# KiCad board ice60-rounded.kicad_pcb (continued)
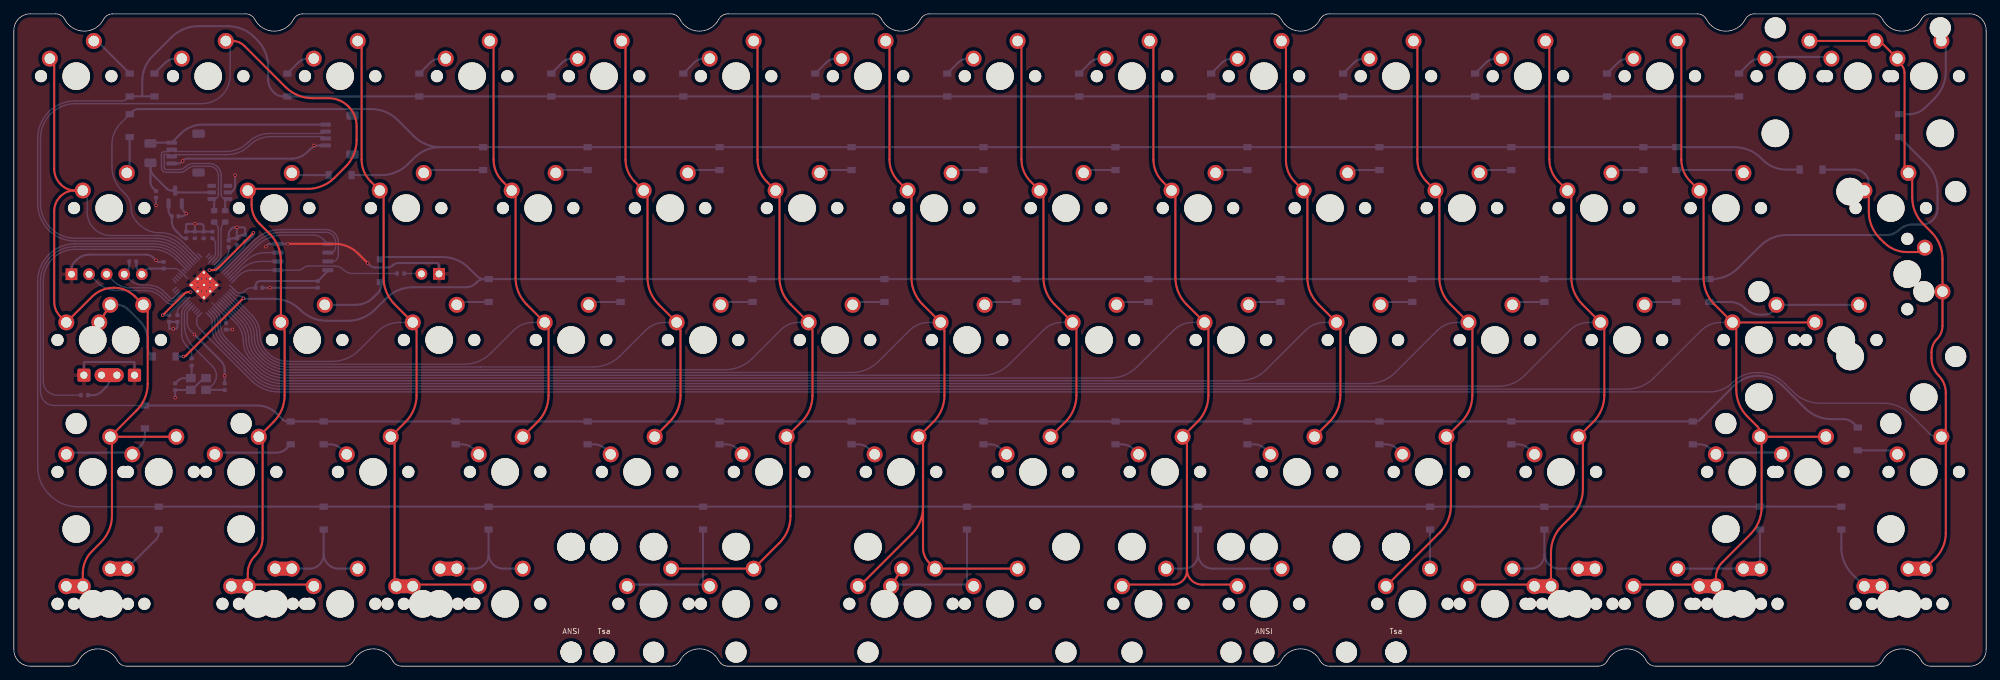
[diagram p0: board, top side]
## Routing (per net, layer and track width the routed paths; a pad name or vN(x,y) marks a point on that pad's centre or on a via; arc(x,y) is an arc through that point) (continued)
Net-(D42-Pad2): length 15.7
  Bottom w0.3: D42.2 273.55,79.71 arc(274.86,79.97) 275.97,80.71 277.28,82.02 arc(278.46,83.78) 278.88,85.87 278.88,89.21 arc(278.79,89.61) 278.57,89.95 278.27,90.25 arc(278.26,90.26) 278.25,90.26 arc(278.25,90.26) 278.25,90.25 278.88,89.63
Net-(D43-Pad2): length 14
  Bottom w0.3: D43.2 18.92,33.38 arc(18.75,32.49) 18.24,31.74 17.22,30.71 arc(17.1,30.66) 16.98,30.71 arc(16.85,30.8) 16.69,30.83 7.98,30.83 arc(7.82,30.8) 7.69,30.71 SW47.1
Net-(D44-Pad2): length 11.4
  Bottom w0.3: SW49.1 29.12,30.71 arc(29.25,30.8) 29.41,30.83 37.89,30.83 arc(38.68,30.99) 39.35,31.43 D44.2
Net-(D45-Pad2): length 3.8
  Bottom w0.3: SW50.1 47.27,31.37 arc(46.54,31.86) 45.66,32.04 D45.2
Net-(D46-Pad2): length 3.8
  Bottom w0.3: D46.2 64.71,32.04 arc(65.59,31.86) 66.32,31.37 SW51.1
Net-(D47-Pad2): length 3.8
  Bottom w0.3: D47.2 83.76,32.04 arc(84.64,31.86) 85.37,31.37 SW52.1
Net-(D48-Pad2): length 3.8
  Bottom w0.3: SW53.1 104.42,31.37 arc(103.69,31.86) 102.81,32.04 D48.2
Net-(D49-Pad2): length 3.8
  Bottom w0.3: SW54.1 123.47,31.37 arc(122.74,31.86) 121.86,32.04 D49.2
Net-(D50-Pad2): length 3.8
  Bottom w0.3: D50.2 140.91,32.04 arc(141.79,31.86) 142.52,31.37 SW55.1
Net-(D51-Pad2): length 3.8
  Bottom w0.3: SW56.1 161.57,31.37 arc(160.84,31.86) 159.96,32.04 D51.2
Net-(D52-Pad2): length 3.8
  Bottom w0.3: SW57.1 180.62,31.37 arc(179.89,31.86) 179.01,32.04 D52.2
Net-(D53-Pad2): length 3.8
  Bottom w0.3: D53.2 198.06,32.04 arc(198.94,31.86) 199.67,31.37 SW58.1
Net-(D54-Pad2): length 3.8
  Bottom w0.3: SW59.1 218.72,31.37 arc(217.99,31.86) 217.11,32.04 D54.2
Net-(D55-Pad2): length 13.4
  Bottom w0.3: D55.2 243.31,32.04 arc(244.18,31.86) 244.92,31.37 245.58,30.71 arc(245.7,30.66) 245.82,30.71 arc(245.95,30.8) 246.1,30.83 254.81,30.83 arc(254.97,30.8) 255.1,30.71 SW61.1
Net-(D56-Pad2): length 5.9
  Bottom w0.3: D56.2 270.91,31.16 arc(271.29,31.09) 271.6,30.88 SW62.1
Net-(D57-Pad2): length 12.3
  Top w2: SW63.2 SW64.2
  Bottom w0.3: D57.2 20.91,19.21 arc(20.81,18.72) 20.54,18.31 SW64.2
  Bottom w2: SW64.2 SW63.2
Net-(D58-Pad2): length 20.2
  Top w2: SW66.2 SW65.2
  Bottom w0.3: SW66.2 42.72,14.08 arc(44.13,14.67) 44.72,16.08 ; 44.72,16.08 D58.2 ; 44.72,16.08 arc(45.39,14.67) 47.02,14.08 SW67.2
  Bottom w2: SW66.2 SW65.2
Net-(D59-Pad2): length 20.2
  Top w2: SW68.2 SW69.2
  Bottom w0.3: 68.53,16.08 D59.2 ; 68.53,16.08 arc(67.95,14.67) 66.53,14.08 SW69.2 ; 68.53,16.08 arc(69.21,14.67) 70.83,14.08 SW70.2
  Bottom w2: SW69.2 SW68.2
Net-(D60-Pad2): length 20.3
  Bottom w0.3: D60.2 99.49,11.54 ; SW71.1 88.65,11.66 arc(88.78,11.75) 88.94,11.78 100.03,11.78 arc(100.19,11.75) 100.32,11.66 SW72.1
Net-(D61-Pad2): length 26.2
  Top w0.3: SW74.2 SW73.1
  Bottom w0.3: 137.59,12.06 137.59,11.86 arc(137.68,11.63) 137.9,11.54 SW75.1 ; 137.59,12.06 137.59,12.29 ; 137.59,12.06 137.59,12.29 ; 137.59,12.06 137.59,12.05 arc(137.57,11.95) 137.51,11.86 arc(137.42,11.8) 137.32,11.78 127.04,11.78 arc(126.88,11.75) 126.75,11.66 arc(126.73,11.66) 126.72,11.68 SW74.2 ; D61.2 137.59,12.29
Net-(D62-Pad2): length 22.5
  Bottom w0.3: 170.93,16.08 D62.2 ; 170.93,16.08 arc(171.6,14.67) 173.23,14.08 SW77.2 ; 170.93,16.08 arc(170.34,14.67) 168.93,14.08 SW76.2
Net-(D63-Pad2): length 5.6
  Bottom w0.3: SW78.2 204.42,19.71
Net-(D64-Pad2): length 20.2
  Top w2: SW80.2 SW79.2
  Bottom w0.3: 220.93,16.08 D64.2 ; 220.93,16.08 arc(221.61,14.67) 223.23,14.08 SW80.2 ; 220.93,16.08 arc(220.35,14.67) 218.93,14.08 SW81.2
  Bottom w2: SW80.2 SW79.2
Net-(D65-Pad2): length 19.9
  Top w2: SW83.2 SW82.2
  Bottom w0.3: SW82.2 252.05,19.71 ; SW83.2 SW84.2
  Bottom w2: SW83.2 SW82.2
Net-(D66-Pad2): length 16
  Top w2: SW86.1 269.24,11.54
  Bottom w0.3: D66.2 263.79,17.13 arc(264.21,15.05) 265.39,13.28 SW86.1 SW85.1
  Bottom w2: SW86.1 269.24,11.54
Net-(D67-Pad2): length 9.2
  Top w2: D68.2 D67.2
  Bottom w0.3: 13.76,41.94 13.76,41.35 arc(13.65,40.8) 13.34,40.33 12.65,39.64 arc(12.09,39.26) 11.42,39.13 R6.2
  Bottom w2: D68.2 D67.2

## Copper pours and planes (outline as drawn; the poured copper is in the pictures)
+1V1 on Bottom: 27.25,57.69 29.79,55.15 27.47,52.82 25.63,54.66 25.06,54.1 25.63,53.53 25.77,53.67 27.47,51.97 30.58,55.09 28.6,57.07 28.74,57.21 28.46,57.49 28.7,57.73 27.99,58.44
+3V3 on Bottom: 27.37,62.25 23.78,62.27 27.23,58.78 23.46,55.03 27.42,51.07 31.44,55.07 29.64,57.07 28.7,58.14 28.71,60.93
GND on Top, Bottom: 292.29,-5.21 -4.97,-5.21 -4.97,101.15 292.29,101.15

## Text on the board
B.Silkscreen: prototype | JLCJLCJLCJLC | ice60 v1 | designed by chill
